# Altium PCB Time4CM4_PCIeCarrier_PCB.PcbDoc (part 2 of 5) (continued)
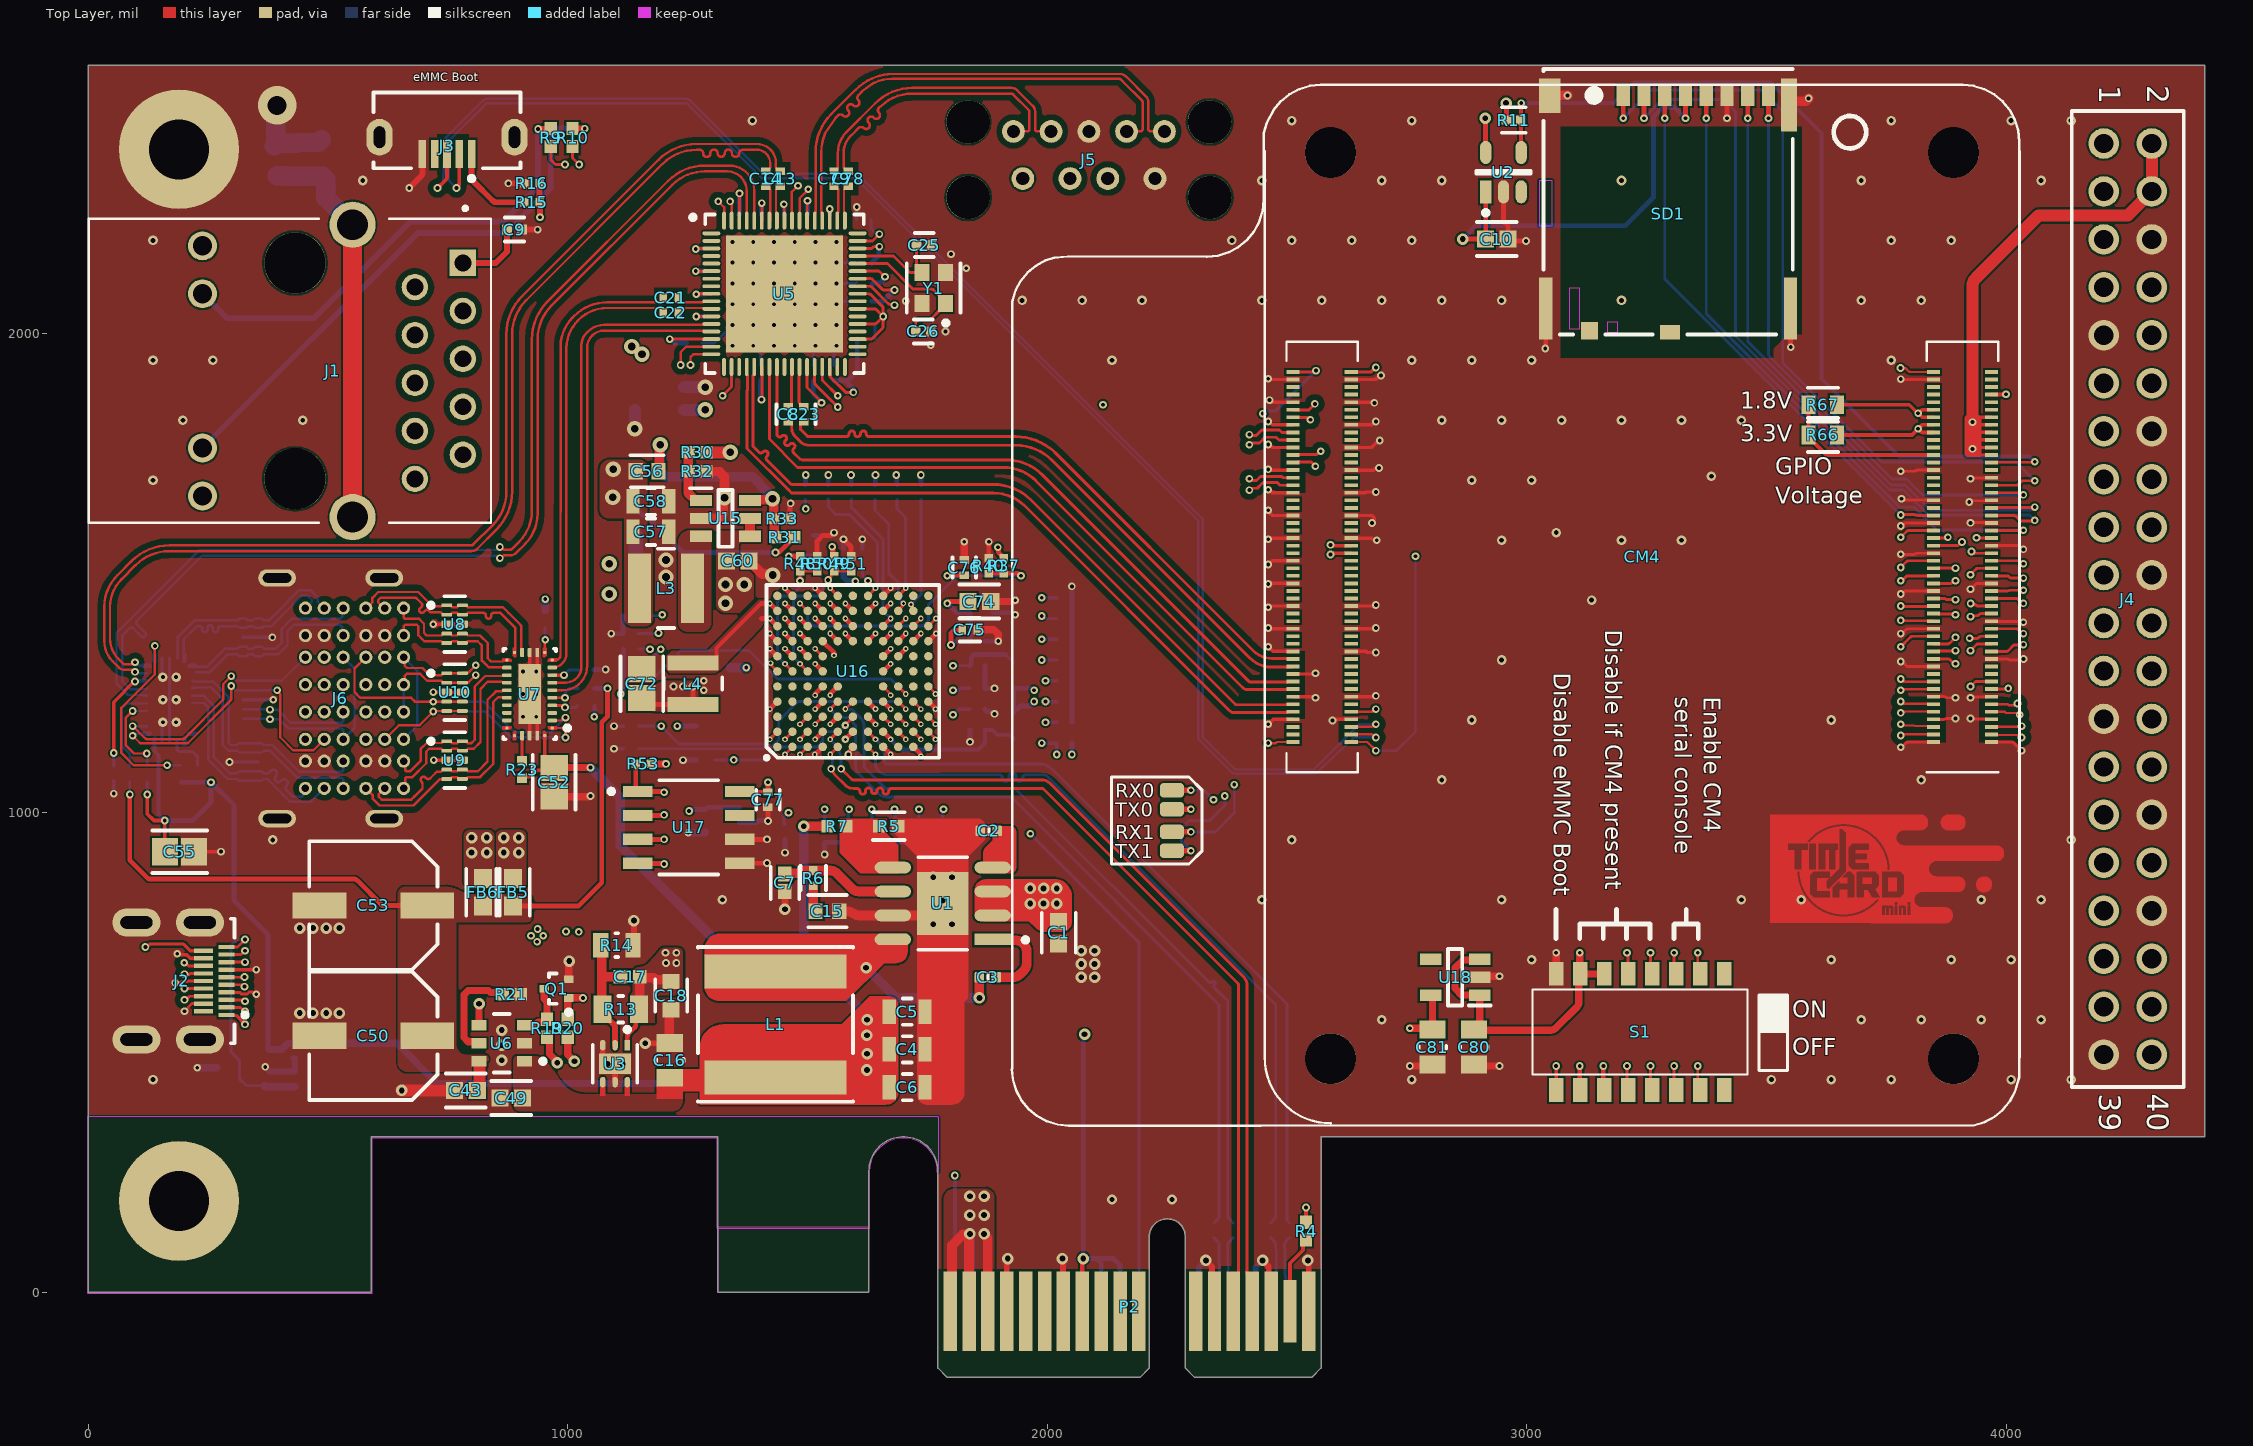
[diagram p0: Top Layer view]
## Nets (pads, with @x,y where several pads share a name; then routed paths per layer and width w, separated by ;. In a path a pad name is that pad's centre, name@x,y a point inside that pad or via, vN(x,y) a via of type N, cw(c..) or ccw(c..) an arc to the next point about the centre after c; other vN are vias at no path point)
1V2_INT: C72.1 FB9.1 FB10.1 L4.2 U16.C7 | length 586
  Top Layer w10: C72.1@1154.53,1239.6 1178.19,1226.38 L4.2@1260.83,1226.38 1260.83,1262.8 v1(1259.84,1263.78) ; v3(1484.25,1342.52) U16.C7@1500,1326.77
  Int4 (PWR) w10: v1(1259.84,1263.78) 1260.99,1264.93 1260.99,1277.16 1311.35,1327.52 1427.47,1327.52 1471.69,1327.52 1483.87,1339.7 1483.87,1342.14 v3(1484.25,1342.52)
  Bottom Layer w10: v1(1972.44,1232.28) 1972,1232.28 1962.79,1223.07 1943.54,1223.07 FB10.1@1929.13,1208.66 FB9.1@1929.13,1260.79 1929.81,1260.12 1966.61,1260.12 1970.82,1255.91 v1(1972.44,1255.91)
  other v1: 1220.47,1263.78 1240.16,1263.78
1V05: C27.2 C28.2 C29.2 C30.2 C31.2 C32.2 C33.2 C34.2 C59.1 FB7.2 U5.3 U5.9 U5.12 U5.29 U5.45 U5.54 U5.60 U5.63 | length 2669.1
  Top Layer w6: v1(1267.72,2035.43) U5.12@1299.21,2035.43 ; U5.63@1404.53,2235.24 v1(1404.53,2271.65) ; v1(1450.52,2269.27) 1451.41,2268.38 1451.41,2235.59 U5.60@1451.77,2235.24 ; U5.29@1499.02,1930.12 1499.02,1887 1500.75,1885.26 1529.15,1856.87 v1(1529.15,1855.34) ; U5.45@1604.33,2114.17 1631.37,2114.17 cw(c1631.37,2108.17) 1635.64,2112.39 1655.72,2092.31 ccw(c1659.97,2096.55) 1659.97,2090.55 v1(1681.1,2090.55)
  Top Layer w7: v1(1266.73,2176.18) 1267.72,2177.17 U5.3@1299.21,2177.17 ; v1(1267.72,2081.69) 1268.7,2082.68 U5.9@1299.21,2082.68
  Int4 (PWR) w10: v1(1404.53,2271.65) 1406.15,2271.65 1408.53,2269.27 1450.38,2269.27 1452,2269.27 1461.63,2259.65 v1(1546.31,2259.65) 1605.62,2200.34 1605.62,2149.86 1663.79,2091.7 1679.95,2091.7 v1(1681.1,2090.55)
  Int2 (Sign) w40: 1039.37,1488.19 795.28,1488.19 574.8,1708.66 574.8,2098.43 692.91,2216.54 826.77,2216.54 881.89,2161.42 1039.37,2161.42 1070.87,2192.91 1208.66,2192.91
  Bottom Layer w10: v1(1266.73,2176.18) 1267.22,2176.67 1284.94,2176.67 C33.2@1285.43,2177.17 ; v1(1267.72,2035.43) C31.2@1285.43,2035.43 ; v1(1267.72,2081.69) C32.2@1285.43,2081.69 ; C30.2@1403.54,2247.05 1404.04,2247.54 1404.04,2271.16 v1(1404.53,2271.65) v1@1404.53,2273.28 ; v1(1450.52,2269.27) 1451.15,2268.65 1451.15,2247.67 C34.2@1451.77,2247.05 ; C27.2@1511.81,1901.57 1511.81,1874.2 1529.15,1856.87 v1(1529.15,1855.34) ; C29.2@1546.29,2247.07 v1@1546.29,2259.62 ; C28.2@1633.86,2066.93 1657.48,2066.93 v1(1681.1,2090.55)
  Bottom Layer w30: C59.1@1141.73,1523.64 FB7.2@1141.73,1579.68
  other v6: 1086.61,1456.69 1086.61,1519.69
1V8_CM4: C81.1 CM4.88 CM4.90 R67.2 U18.5 | length 2180.4
  Top Layer w8: R67.2@3646.65,1851.38 3797.24,1851.38 v1@3814.96,1833.66 ; v1(3815.94,1833.66) 3824.44,1825.16 CM4.88@3847.7,1825.16 ; v1@3817.08,1833.66 3824.33,1840.91 CM4.90@3847.7,1840.91
  Top Layer w15: v1(2755.91,551.18) 2800.2,551.18 C81.1@2803.15,548.23 2803.15,616.14 U18.5@2799.21,620.08 ; R67.2@3646.65,1851.38 R67.2@3646.65,1856.3
  Int3 (Sign) w15: v1(2755.91,551.18) 2755.91,891.08 3059.16,1194.33 3059.49,1194.33 3059.49,1194.66 3091.24,1226.41 3091.24,1257.88 3667.02,1833.66 v1(3815.94,1833.66)
3V3: C17.2 C18.1 C19.1 C51.1 C54.1 C62.2 C63.2 C64.2 C65.1 C66.1 C67.2 C74.1 C75.2 C76.2 C77.2 FB4.1 FB8.1 J1.11 J1.14 J4.1 J4.17 R11.2 R13.2 R30.2 R37.2 R45.2 R46.2 R47.2 R48.2 R49.2 R53.2 S1.10 S1.11 U2.5 U3.1 U7.8 U11.8 U16.B9 U16.B10 U16.B11 U16.C9 U16.D5 U16.E8 U16.H7 U17.8 | length 5078.5
  Top Layer w7: v1(53.15,1125) 53.15,1231.3 96.14,1274.29 v1(97.44,1274.29) ; U7.8@967.52,1287.4 v1(992.13,1287.4)
  Top Layer w10: U3.1@1124.02,515.75 1124.02,533.26 cw(c1134.02,533.26) 1126.93,540.31 1138.82,552.2 ccw(c1131.73,559.26) 1141.73,559.26 1141.73,567.01 R13.2@1148.62,590.55 ; U17.8@1358.27,1044.88 1359.84,1043.31 C77.2@1417.32,1043.31 v1(1417.32,1063.98) ; v3(1452.76,1405.31) 1452.96,1405.31 U16.B9@1468.5,1389.76 ; v3(1452.76,1437.01) U16.B10@1468.5,1421.26 ; v3(1452.76,1468.5) U16.B11@1468.5,1452.76 ; v3(1484.25,1405.31) 1484.46,1405.31 U16.C9@1500,1389.76 ; v3(1515.75,1245.54) 1516.13,1245.93 1516.13,1248.41 U16.D5@1531.5,1263.78 ; v3(1547.24,1374.02) U16.E8@1562.99,1358.27 ; U16.H7@1657.48,1326.77 v3(1673.23,1342.52) ; v1(1791.34,1437.01) 1792.96,1437.01 1796.9,1440.94 C74.1@1834.62,1440.94 ; v1(1791.34,1494.69) 1792.96,1494.69 1794.34,1496.06 C76.2@1826.77,1496.06 ; v1(1799.21,1350.39) 1799.21,1375 1805.12,1380.91 1821.85,1380.91 C75.2@1822.83,1381.89 ; v1(1896.72,1554.2) cw(c1887.87,1549.55) 1897.87,1549.55 1897.87,1547.22 ccw(c1907.87,1547.22) 1900.78,1540.16 1905.59,1535.35 R37.2@1909.45,1531.5 ; U2.5@2913.8,2377.83 v4@2913.8,2448.41 ; R11.2@2957.54,2444.88 v4@2957.54,2475.53 ; v1(3110.24,472.44) 3110.24,423.23 S1.10@3111.22,422.24 ; v1(3159.45,472.44) 3159.45,424.02 S1.11@3161.22,422.24
  Top Layer w12: v1(1460.63,1535.43) R48.2@1484.25,1535.43 ; v1(1551.18,1555.12) 1551.18,1554.04 1552.26,1552.96 1552.26,1538.29 R49.2@1555.12,1535.43
  Top Layer w15: R53.2@1173.23,1102.36 v1(1204.72,1102.36) ; v4(2913.39,2448.82) v4@2913.8,2448.41 ; U2.5@2913.8,2377.83 U2.5@2914.21,2377.42
  Top Layer w20: R13.2@1148.62,590.55 1150,591.93 C17.2@1150,658.46 1151.8,656.66 1178.97,656.66 1183.33,652.3 1211.88,652.3 C18.1@1215.55,648.62
  Top Layer w25: R30.2@1288.39,1751.97 v6(1338.58,1751.97)
  Int4 (PWR) w10: v1(1791.34,1437.01) v1(1791.34,1494.69)
  Int4 (PWR) w15: v3(1452.76,1437.01) v3(1452.76,1405.31) v3(1484.25,1405.31) 1501.76,1387.8 1533.46,1387.8 v3(1547.24,1374.02) 1549.21,1374.02 1579.42,1343.81 1591.84,1343.81 1610.24,1362.2 ; v3(1515.75,1245.54) 1515.75,1248.03 1547.24,1279.53 1594.49,1279.53 1610.24,1295.28 1610.24,1362.2 ; v1(1599.68,1483.08) 1599.68,1456.94 1610.24,1446.38 1610.24,1362.2 ; v1(1803.15,1204.72) v1(1803.15,1255.91) 1759.46,1299.6 1716.15,1299.6 v3(1673.23,1342.52) 1629.92,1342.52 1610.24,1362.2
  Int4 (PWR) w25: v6(1338.58,1751.97) 1338.58,1692.91 1460.63,1570.87 v1(1460.63,1535.43) 1531.5,1535.43 v1(1551.18,1555.12)
  Int2 (Sign) w25: v1(1226.38,687.01) 1291.34,622.05 1728.35,622.05 1956.69,393.7 3106.3,393.7 3133.86,421.26 3133.86,444.88
  Bottom Layer w7: C54.1@53.15,1098.43 v1(53.15,1125) ; v1(97.44,1274.29) 98.74,1275.59 U11.8@122.05,1275.59 ; v1(992.13,1287.4) 1002.95,1298.23 C51.1@1022.64,1298.23 ; R46.2@1114.26,1279.44 R46.2@1115.16,1278.54 ; v1(1803.15,1204.72) 1814.96,1216.54 C62.2@1838.58,1216.54 ; v1(1803.15,1255.91) 1803.33,1256.08 1815.14,1256.08 1818.9,1259.84 C63.2@1838.58,1259.84
  Bottom Layer w10: v1(1110.24,1248.03) 1110.24,1249.66 1115.16,1254.58 R46.2@1115.16,1278.54 ; R46.2@1114.26,1279.44 1116.14,1281.32 R47.2@1116.14,1341.54 ; v1(1228.35,1181.1) FB8.1@1268.67,1181.1 ; v1(1791.34,1437.01) 1811.02,1417.32 C66.1@1838.56,1417.32 ; v1(1799.21,1350.39) 1800.2,1350.39 1808.07,1358.27 C67.2@1838.58,1358.27 C66.1@1838.56,1417.32
  Bottom Layer w12: v1@1461.71,1535.43 1507.85,1535.43 C65.1@1511.81,1531.47 1521.73,1521.56 1568.99,1521.56 C64.2@1570.87,1519.69 ; C64.2@1574.8,1519.69 1574.8,1492.13 1583.09,1483.84 1598.91,1483.84 v1(1599.68,1483.08)
  other v1: 1204.72,687.01 1203.74,708.66 1226.38,708.66
  other v4: 2956.69,2480.32
  other v6: 1154.53,1956.69 1133.34,1972.91
3V3_CM4: C80.1 CM4.84 CM4.86 R66.2 S1.6 S1.7 U18.1 U18.3 | length 2362.2
  Top Layer w8: R66.2@3646.65,1788.39 3803.15,1788.39 v1(3815.94,1801.18) v1@3816.09,1801.18 ; CM4.84@3847.7,1793.67 3824.33,1793.67 3816.81,1801.18 v1@3816.09,1801.18 ; CM4.86@3847.7,1809.41 3824.33,1809.41 v1@3816.09,1801.18
  Top Layer w15: C80.1@2888,547 3049.79,547 ccw(c3049.79,562) 3060.38,551.38 3103.98,594.98 ccw(c3093.33,605.55) 3108.33,605.55 3108.33,661.48 S1.7@3111.22,664.37 ; C80.1@2889.76,548.23 2890.37,548.23 2901.57,559.43 U18.1@2901.57,620.08 2864.17,620.08 2850.39,633.86 2850.39,677.17 2866.71,693.48 2900.17,693.48 U18.3@2901.57,694.88 ; v1(3110.24,708.66) 3110.24,665.35 S1.7@3111.22,664.37 ; S1.6@3161.22,664.37 S1.7@3111.22,664.37 ; R66.2@3646.65,1788.39 R66.2@3646.65,1793.31
  Int3 (Sign) w15: v1(3110.24,708.66) 3110.24,1250.01 3661.41,1801.18 v1(3815.94,1801.18)
3V3_PCIE: P2.A9 P2.A10 P2.B8 R3.2 | length 1539
  Top Layer w10: P2.B8@2072.89,-39 2072.89,68.95 v4(2074.8,70.87)
  Int2 (Sign) w10: v1(2051.18,1122.05) 2051.18,755.91 1992.13,696.85 1992.13,623.73 v4(2077.49,538.36)
  Bottom Layer w10: v1(2051.18,1122.05) R3.2@2051.18,1145.67 ; 2074.8,525.77 v4(2074.8,70.87) 2102.36,70.87 ; 2074.82,525.78 2074.82,535.68 v4(2077.49,538.36) ; P2.A9@2112.26,-39 2112.26,60.97 2102.36,70.87 ; P2.A10@2151.63,-39 2151.63,57.03 2137.8,70.87 2102.36,70.87
5V: C4.1 C5.1 C6.1 C16.1 C48.2 C49.1 C52.1 C55.1 C60.1 CM4.77 CM4.79 CM4.81 CM4.83 CM4.85 CM4.87 J4.2 J4.4 L1.2 R7.2 R22.2 R23.2 R24.2 R26.2 R27.2 R28.2 U3.4 U3.6 U4.1 U6.1 U7.30 U11.30 U15.4 U15.5 | length 8755.8
  Top Layer w7: 3923.84,1746.42 CM4.77@3968.96,1746.42 ; 3929.33,1793.67 CM4.83@3968.96,1793.67 ; 3930.08,1777.92 CM4.81@3968.96,1777.92 ; v1@3931,1810 3931.59,1809.41 CM4.85@3968.96,1809.41 ; 3934,1825 3934.16,1825.16 CM4.87@3968.96,1825.16 ; 3943.17,1762.17 CM4.79@3968.96,1762.17
  Top Layer w8: v1(123.03,1038.39) 123.03,998.03 136.81,984.25 v1(159.45,984.25) 159.45,920.28 C55.1@160.43,919.29 ; R23.2@904.53,1072.83 907.9,1076.21 922.67,1076.21 935.48,1089.02 966.42,1089.02 C52.1@971.46,1094.06 ; U7.30@951.77,1161.42 951.77,1117.19 C52.1@973.18,1095.78
  Top Layer w15: C52.1@971.89,1094.49 v1(1047.24,1094.49)
  Top Layer w20: U15.4@1379.92,1576.77 U15.5@1379.92,1614.17 ; v4(1492.13,972.44) 1538.54,972.44 R7.2@1541.34,972.44
  Top Layer w25: v1(3929.13,1814.96) 3929.13,2097.91 cw(c3954.13,2097.91) 3936.46,2115.59 4066.93,2246.06 4253.15,2246.06 J4.4@4303.15,2296.06 J4.2@4303.15,2396.06
  Int4 (PWR) w40: v4(1623.7,463.98) 2395.08,463.98 3691.93,1760.83 3927.59,1760.83 v1(3929.13,1759.28) v1(3929.13,1814.96)
  Int2 (Sign) w15: v1(952.76,1445.87) 1059.06,1339.57 1059.06,1336.61
  Int2 (Sign) w40: v1(1047.24,1094.49) 1055.12,1102.36 v1(1055.12,1200.79) 1034.45,1221.46 1034.45,1312.01 1059.06,1336.61 1105.31,1336.61 1128.94,1360.24 1128.94,1399.61 1177.17,1447.83 1250,1447.83 1260.83,1437.01 v6(1328.74,1437.01) v6(1328.74,1476.38) v6(1368.11,1476.38)
  Bottom Layer w8: v1(123.03,1038.39) R28.2@123.03,1063.98 ; U11.30@137.8,1149.61 137.8,1128.94 146.65,1120.08 146.65,997.05 v1(159.45,984.25) ; v1(1055.12,1200.79) 1055.29,1200.96 1055.29,1223.6 R24.2@1056.1,1224.41
  Bottom Layer w10: v1(159.45,984.25) 217.52,984.25 255.91,1022.64 v1(255.91,1063.98) ; R26.2@193.9,1063.98 R27.2@227.36,1063.98 v1(255.91,1063.98) ; U4.1@376.97,506.85 375,508.82 375,746.06 304.13,816.93 304.13,1015.75 v1(255.91,1063.98)
  Bottom Layer w15: U4.1@376.97,506.85 403.51,506.85 415.96,519.31 C48.2@431.1,519.31 ; C48.2@431.1,519.69 643.7,519.69 727.36,436.02 1514.76,436.02 1542.72,463.98 v4(1623.7,463.98) ; R22.2@952.76,1422.24 v1(952.76,1445.87)
  Bottom Layer w20: v1(1047.24,1094.49) 1109.25,1032.48 1109.25,932.09 1332.68,708.66 1492.13,708.66 ; v4(1492.13,972.44) 1492.13,708.66 ; v4(1624.05,568.52) 1623.28,569.28 1623.28,577.51 1492.13,708.66
  other v4: 1624.05,497.98 1623.82,536.24
5V_HDMI: C24.2 J2.19 U4.2 | length 487.7
  Top Layer w6: J2.19@288.39,720.47 311.02,720.47 v1(326.77,736.22)
  Bottom Layer w6: v1(326.77,736.22) 310.04,736.22 297.24,723.43 297.24,501.97 314.96,484.25 314.96,445.87 329.8,431.02 U4.2@366.14,431.02
  Bottom Layer w15: U4.2@366.14,431.02 368.03,429.13 C24.2@431.1,429.13
12V_PCIE: C1.1 P2.A2 P2.A3 P2.B1 P2.B2 P2.B3 U1.2 U1.3 | length 825.9
  Top Layer w20: P2.B1@1797.3,-39 1801.18,-35.12 1801.18,98.43 1824.04,121.28 ; P2.B2@1836.67,-39 1836.67,119.05 1838.58,120.96 v4(1838.58,122.05) ; v4(1868.11,122.05) 1868.11,120.96 1876.04,113.03 P2.B3@1876.04,-39
  Bottom Layer w20: P2.A2@1836.67,-39 1838.58,-37.09 v4(1838.58,122.05) v4@1838.58,123.13 ; v4@1838.58,160.33 v4(1838.58,161.42) ; v4(1868.11,122.05) 1876.04,114.12 P2.A3@1876.04,-39
  other v4: 1868.11,161.42 1838.58,200.79 1868.11,200.79 1964.57,811.02 1992.13,811.02 2019.68,811.02 1964.57,842.52 1992.13,842.52 2019.68,842.52
ANAIP_0: CM4.96
ANAIP_1: CM4.94
BT_DIS: CM4.91
CC1: J6.A5-B U11.2 U14.5 U14.6 | length 498
  Top Layer w5: v1(92.52,1181.1) cw(c90.55,1176.51) 94.09,1180.04 102.71,1171.42 cw(c92.52,1161.1) 102.83,1171.3 118.65,1155.48 ccw(c122.2,1159) 122.2,1154 196.93,1154 ccw(c196.93,1159) 200.45,1155.45 280.06,1235.06 ccw(c276.5,1238.57) 281.5,1238.57 281.5,1268.7 v1(298.23,1285.43)
  Bottom Layer w5: v1(92.52,1181.1) U11.2@122.05,1181.1 ; v1(298.23,1285.43) 308.07,1275.59 U14.5@322.83,1275.59 U14.6@355.71,1275.59 403.54,1275.59 J6.A5-B@452.76,1324.8
CC2: J6.B5-B U11.1 U14.4 U14.7 | length 621.7
  Top Layer w5: v1(92.52,1161.1) 107.16,1146.46 ; 107.18,1146.45 ccw(c110.69,1150) 110.69,1145 204.93,1145 ccw(c204.93,1150) 208.45,1146.45 296.79,1234.79 ccw(c293.23,1238.3) 298.23,1238.3 v1(298.23,1264.76) ; v1(393.7,1255.91) 393.7,1254.1 400.33,1247.48 400.33,1157.74 427.17,1130.91 469.49,1130.91 J6.B5-B@492.13,1153.54
  Bottom Layer w5: v1(92.52,1161.1) 95.5,1161.1 99.75,1165.35 U11.1@122.05,1165.35 ; v1(298.23,1264.76) 307.09,1255.91 U14.4@322.83,1255.91 U14.7@355.71,1255.91 v1(393.7,1255.91)
CM0_C_N: CM4.140
CM0_C_P: CM4.142
CM0_D0_N: CM4.128
CM0_D0_P: CM4.130
CM0_D1_N: CM4.134
CM0_D1_P: CM4.136
CM1_C_N: CM4.127
CM1_C_P: CM4.129
CM1_D0_N: CM4.115
CM1_D0_P: CM4.117
CM1_D1_N: CM4.121
CM1_D1_P: CM4.123
CM1_D2_N: CM4.133
CM1_D2_P: CM4.135
CM1_D3_N: CM4.139
CM1_D3_P: CM4.141
CM4_PCIE_CLK_N: CM4.112 U5.22 | length 1526.7
  Top Layer w6: U5.22@1388.78,1930.12 1388.78,1914.85 1386.34,1912.41 1386.34,1876.44 1385.78,1875.87 1385.78,1783.52 1385.78,1765.05 1398.31,1752.53 ccw(c1402.55,1756.77) 1406.79,1752.53 1407.5,1753.24 cw(c1411.74,1748.99) 1415.99,1753.24 cw(c1411.74,1748.99) 1415.99,1744.75 1415.28,1744.04 ccw(c1419.52,1739.8) 1415.28,1735.56 1425.88,1724.95 1463.91,1686.92 ccw(c1468.14,1691.18) 1468.14,1685.18 1819,1685.18 1887.1,1685.18 cw(c1887.1,1573.71) 1965.92,1652.54 2391.11,1227.35 ccw(c2395.33,1231.61) 2395.33,1225.61 2496.66,1225.61 ccw(c2496.66,1231.61) 2498.16,1225.8 2501.48,1225.8 CM4.112@2512.26,1226.74
CM4_PCIE_CLK_P: CM4.110 U5.21 | length 1533.2
  Top Layer w6: U5.21@1373.03,1930.12 1373.03,1914.85 1374.34,1913.54 1374.34,1881.41 1373.78,1880.84 1373.78,1760.08 1459.65,1674.21 1466.63,1667.23 ccw(c1468.14,1691.18) 1468.14,1667.18 1887.1,1667.18 cw(c1887.1,1573.71) 1953.08,1639.92 cw(c1887.1,1573.71) 1953.15,1639.85 2378.63,1214.37 ccw(c2395.33,1231.61) 2385.13,1209.89 2501.32,1209.89 2502.42,1210.99 CM4.110@2512.26,1210.99
CM4_PCIE_nCREQ: CM4.102 U5.30 | length 1438.4
  Top Layer w5: v1(2460.63,1145.67) 2476.38,1145.67 2478.71,1148 CM4.102@2512.26,1148
  Top Layer w6: U5.30@1514.76,1930.12 1514.76,1897.17 ccw(c1520.76,1897.17) 1516.5,1892.95 v1(1562.99,1846.46)
  Int4 (PWR) w6: v1(1562.99,1846.46) 1594.49,1814.96 1905.51,1814.96 2314.96,1405.51 2314.96,1244.09 2413.39,1145.67 v1(2460.63,1145.67)
CM4_PCIE_nRST: CM4.109 U5.19 | length 1917.9
  Top Layer w6: v1(1322.83,1870.08) 1339.8,1887.04 ccw(c1335.54,1891.26) 1341.54,1891.26 U5.19@1341.54,1930.12 ; CM4.109@2633.52,1210.99 2676.79,1210.99 2682.33,1216.54 v1(2685.04,1216.54)
  Int4 (PWR) w6: v1(1322.83,1870.08) 1397.64,1795.28 1877.95,1795.28 2287.4,1385.83 2287.4,1240.16 2405.51,1122.05 2590.55,1122.05 v1(2685.04,1216.54)
CM4_PCIE_PEXRX_N: C23.1 U5.28 | length 87.2
  Top Layer w6: U5.28@1483.27,1930.12 1483.27,1915.35 1483.27,1914.85 ccw(c1488.8,1912.52) 1482.91,1913.67 ccw(c1488.46,1911.39) 1482.46,1911.39 1482.46,1857.63 ccw(c1488.46,1857.62) 1484.2,1853.4 1485.28,1852.32 C23.1@1492.13,1847.44
CM4_PCIE_PEXRX_P: C8.1 U5.27 | length 87
  Top Layer w6: C8.1@1459.65,1847.44 1466.49,1852.32 1466.49,1855.61 ccw(c1460.71,1857.23) 1466.71,1857.29 1466.71,1929.31 1467.52,1929.31 U5.27@1467.52,1930.12
CM4_PCIE_RX_N: CM4.118 U5.25 | length 1458.8
  Top Layer w6: U5.25@1436.02,1930.12 1436.02,1800.9 1436.02,1788.54 1436.31,1787.85 ccw(c1441.86,1790.13) 1446.1,1785.89 cw(c1450.34,1781.65) 1454.58,1785.89 cw(c1450.34,1781.65) 1454.58,1777.4 1453.57,1776.39 ccw(c1457.81,1772.14) 1453.57,1767.9 ccw(c1457.81,1772.14) 1462.05,1767.9 1463.2,1769.05 cw(c1467.44,1764.81) 1471.69,1769.05 cw(c1467.44,1764.81) 1471.69,1760.57 1470.84,1759.72 ccw(c1475.08,1755.48) 1470.84,1751.23 1483.97,1738.1 1488.2,1736.36 1506.88,1736.36 1836,1736.36 1914.05,1736.36 cw(c1914.05,1629.9) 1989.33,1705.19 2419.92,1274.59 ccw(c2424.15,1278.86) 2424.15,1272.86 2496.66,1272.86 ccw(c2496.66,1278.86) 2498.16,1273.04 2501.48,1273.04 CM4.118@2512.26,1273.98
CM4_PCIE_RX_P: CM4.116 U5.24 | length 1454.7
  Top Layer w6: U5.24@1420.28,1930.12 1420.28,1779.53 1479.19,1720.61 1908.62,1720.61 cw(c1908.62,1624.46) 1976.53,1692.53 cw(c1908.62,1624.46) 1976.61,1692.45 2407.19,1261.87 ccw(c2424.15,1278.86) 2414,1257.11 2504.49,1257.11 2504.49,1257.3 CM4.116@2512.26,1258.23
CM4_PCIE_TX_N: C23.2 CM4.124 | length 1264.8
  Top Layer w6: C23.2@1492.13,1815.95 1485.28,1811.07 1484.9,1806.28 ccw(c1490.89,1805.81) 1484.89,1805.81 1484.89,1802.53 ccw(c1490.89,1802.53) 1486.62,1798.3 1498.46,1786.47 ccw(c1502.68,1790.73) 1502.68,1784.73 1508.81,1784.73 1580.25,1784.73 ccw(c1580.25,1790.73) 1586.25,1790.73 cw(c1592.25,1790.73) 1598.25,1790.73 1598.25,1790.41 ccw(c1604.25,1790.41) 1610.25,1790.41 1610.25,1790.73 cw(c1616.25,1790.73) 1622.25,1790.73 ccw(c1628.25,1790.73) 1628.25,1784.73 1643.25,1784.73 1933.97,1784.73 cw(c1933.97,1666.73) 2005.12,1760.87 cw(c1933.97,1666.73) 2017.4,1750.18 2413.2,1354.39 2413.29,1354.29 2428.84,1338.74 ccw(c2469.07,1379.26) 2469.07,1322.16 2501.48,1322.16 CM4.124@2512.26,1321.23
CM4_PCIE_TX_P: C8.2 CM4.122 | length 1265.8
  Top Layer w6: C8.2@1459.65,1815.95 1466.49,1811.07 1466.87,1806.28 ; 1466.87,1806.27 cw(c1460.89,1805.8) 1466.89,1805.8 1466.89,1802.53 ccw(c1490.89,1802.53) 1467.77,1796.07 ccw(c1490.89,1802.53) 1473.87,1785.6 1485.77,1773.7 ccw(c1502.68,1790.73) 1502.68,1766.73 1933.97,1766.73 cw(c1933.97,1659.04) 2010.12,1735.19 2341.19,1404.12 2422.17,1323.14 ; 2422.2,1323.11 ccw(c2467.93,1368.83) 2467.94,1304.16 2468,1304.16 2510.95,1304.16 2510.95,1304.54 CM4.122@2512.26,1305.48
CM4_UART_RX: CM4.55 J4.10 S1.5 | length 2148.3
  Top Layer w6: v1(3208.66,708.66) 3208.66,705.96 3211.22,703.4 S1.5@3211.22,664.37 ; v1(3937.77,1574.04) 3938.19,1573.62 3968.53,1573.62 CM4.55@3968.96,1573.19
  Int4 (PWR) w6: v1(3937.77,1574.04) 3958.57,1574.04 4018.69,1634.17 ccw(c4014.43,1638.39) 4020.43,1638.39 4020.43,1730.55 cw(c4026.43,1730.55) 4022.17,1734.77 4120.31,1832.91 cw(c4124.53,1828.65) 4124.53,1834.65 4197.94,1834.65 ccw(c4197.91,1840.65) 4198.66,1834.69 cw(c4203.15,1796.06) 4207.61,1834.7 ; 4207.64,1834.69 ccw(c4208.39,1840.65) 4208.36,1834.65 4234.46,1834.65 ccw(c4234.46,1840.65) 4238.68,1836.38 4262.52,1860.22 ccw(c4258.26,1864.44) 4264.26,1864.44 4264.26,1954.69 cw(c4270.26,1954.69) 4266,1958.91 J4.10@4303.15,1996.06
  Int3 (Sign) w6: v1(3208.66,708.66) 3208.66,1122.05 3769.69,1683.07 3818.9,1683.07 3907.48,1594.49 3927.17,1574.8 3937.01,1574.8 v1(3937.77,1574.04)
CM4_UART_TX: CM4.51 J4.8 S1.4 | length 2112.2
  Top Layer w6: v1(3257.87,708.66) 3257.87,667.72 S1.4@3261.22,664.37 ; v1(3927.17,1545.28) 3929.87,1545.28 3933.45,1541.7 CM4.51@3968.96,1541.7
  Int4 (PWR) w6: v1(3927.17,1545.28) 3927.17,1547.98 3922.77,1552.38 3922.77,1580.25 4007.2,1664.69 4007.2,1743.43 4108.5,1844.72 cw(c4112.72,1840.46) 4112.72,1846.46 4232.13,1846.46 ccw(c4232.13,1852.46) 4236.35,1848.19 4252.36,1864.2 ccw(c4248.09,1868.42) 4254.09,1868.42 4254.09,2044.52 cw(c4260.09,2044.52) 4255.83,2048.75 J4.8@4303.15,2096.06
  Int3 (Sign) w6: v1(3257.87,708.66) 3257.87,1072.83 3739.41,1554.37 3896.86,1554.37 3904.38,1546.85 3925.59,1546.85 v1(3927.17,1545.28) v1@3927.17,1549.83
CM4_USB_N: CM4.103 J3.2 | length 3071.3
  Top Layer w5: CM4.103@2633.52,1163.74 2676.61,1163.74 2682.87,1157.48 v1(2685.04,1157.48)
  Top Layer w8: v1(767.72,2303.15) cw(c775.62,2301.9) 769.93,2307.53 771.29,2308.88 ccw(c765.62,2314.53) 773.62,2314.53 J3.2@773.62,2374.21
  Bottom Layer w5: v1(767.72,2303.15) 753.42,2317.45 cw(c756.97,2320.97) 751.97,2320.97 751.97,2399.5 cw(c756.97,2399.5) 753.42,2403.02 829.07,2478.68 cw(c832.59,2475.13) 832.59,2480.13 1246.15,2480.13 cw(c1246.15,2475.13) 1249.67,2478.68 1404.67,2323.68 1600.6,2323.68 2314.76,1609.52 2314.76,1154.55 2383.62,1085.69 ccw(c2393.49,1095.61) 2393.49,1081.61 2553.61,1081.61 ccw(c2553.61,1095.61) 2563.21,1085.43 2572.26,1093.96 2636.68,1154.73 2638.16,1156.12 cw(c2641.59,1152.48) 2641.59,1157.48 v1(2685.04,1157.48)
CM4_USB_OTG: CM4.101 R15.1 R16.2 | length 2713.9
  Top Layer w5: CM4.101@2633.52,1148 2666.96,1148 v1(2685.04,1129.92)
  Top Layer w12: R16.2@940.94,2312.99 940.94,2276.48 R15.1@940.94,2273.62 941.93,2272.64 v1(941.93,2242.13)
  Int2 (Sign) w6: v1(941.93,2242.13) 959.65,2224.41 1712.6,2224.41 2056.13,1880.88 2162.37,1880.88 2426.95,1616.3 2618.18,1616.3 2699.05,1535.43 v1(2767.72,1535.43)
  Bottom Layer w5: v1(2685.04,1129.92) 2728.35,1129.92 2767.72,1169.29 v1(2767.72,1535.43)
CM4_USB_P: CM4.105 J3.3 | length 3098.8
  Top Layer w5: CM4.105@2633.52,1179.49 2676.61,1179.49 2682.16,1185.04 v1(2685.04,1185.04)
  Top Layer w8: v1(728.35,2303.15) 745.7,2320.5 ccw(c740.03,2326.15) 748.03,2326.15 J3.3@748.03,2374.21
  Bottom Layer w5: v1(728.35,2303.15) 738.71,2313.51 ccw(c735.16,2317.03) 740.15,2316.86 740.2,2318.07 ; 740.2,2318.08 742.98,2399.98 cw(c756.97,2399.5) 747.05,2409.39 822.69,2485.03 cw(c832.59,2475.13) 832.59,2489.13 1246.15,2489.13 cw(c1246.15,2475.13) 1256.05,2485.03 1408.4,2332.68 1604.33,2332.68 2323.76,1613.25 2323.76,1158.27 2389.97,1092.06 ccw(c2393.49,1095.61) 2393.49,1090.61 2553.61,1090.61 ccw(c2553.61,1095.61) 2557.13,1092.06 2648.65,1183.59 cw(c2652.17,1180.04) 2652.17,1185.04 v1(2685.04,1185.04)
CM_GPIOx: CM4.97
CONN_RX1_N: J6.B10-B U11.17 U12.5 U12.6 | length 388.9
  Bottom Layer w5: U11.17@225.39,1293.12 252.76,1293.12 290.26,1330.61 311.12,1330.61 314.96,1326.77 U12.6@322.15,1326.77 329.33,1326.77 333.17,1330.61 343.99,1330.61 347.83,1326.77 U12.5@355.02,1326.77 362.2,1326.77 366.05,1330.61 395.57,1330.61 415.35,1350.39 415.35,1378.94 429.04,1392.62 524.61,1392.62 529.28,1387.95 529.28,1372.3 J6.B10-B@531.5,1370.08
CONN_RX1_P: J6.B11-B U11.16 U12.4 U12.7 | length 388.9
  Bottom Layer w5: 225.39,1305.12 247.79,1305.12 285.29,1342.61 311.12,1342.61 314.96,1346.46 U12.7@322.15,1346.46 329.33,1346.46 333.17,1342.61 343.99,1342.61 347.83,1346.46 U12.4@355.02,1346.46 362.2,1346.46 366.05,1342.61 390.6,1342.61 403.35,1355.36 403.35,1383.91 424.07,1404.62 524.61,1404.62 529.28,1409.29 529.28,1424.95 J6.B11-B@531.5,1427.17
CONN_RX2_N: J6.A10-B U11.21 U13.5 U13.6 | length 440.3
  Bottom Layer w5: U11.21@216.54,1228.35 217.52,1229.33 241.14,1229.33 249.81,1220.66 249.81,1111.27 290.31,1070.77 300.79,1070.77 310.43,1070.77 314.27,1066.93 U13.6@321.46,1066.93 U13.5@354.33,1066.93 361.52,1066.93 365.36,1070.77 373.59,1070.77 376.52,1067.84 376.52,1067.14 406.87,1036.79 420.04,1023.62 464.04,1023.62 491.6,1051.18 J6.A10-B@492.13,1051.18
CONN_RX2_P: J6.A11-B U11.20 U13.4 U13.7 | length 439.9
  Bottom Layer w5: U11.20@216.54,1244.09 241.02,1244.09 261.81,1223.31 261.81,1116.24 295.28,1082.77 305.76,1082.77 310.43,1082.77 314.27,1086.61 U13.7@321.46,1086.61 U13.4@354.33,1086.61 361.52,1086.61 363.51,1084.62 365.28,1082.85 365.36,1082.77 372.7,1082.77 ccw(c372.7,1090.27) 378,1084.97 380.72,1087.69 cw(c386.02,1082.38) 391.33,1087.69 cw(c386.02,1082.38) 391.33,1077.08 ccw(c396.63,1071.78) 391.33,1066.47 ccw(c396.63,1071.78) 401.93,1066.47 403.35,1067.89 cw(c408.65,1062.59) 413.96,1067.89 cw(c408.65,1062.59) 413.96,1057.28 ccw(c419.26,1051.98) 413.95,1046.67 420.23,1040.4 421.99,1038.63 427.01,1033.62 444.36,1033.62 448.44,1037.7 448.44,1046.86 J6.A11-B@452.76,1051.18
CONN_TX1_N: J6.A3-B U11.14 U12.1 U12.10 | length 418.5
  Bottom Layer w5: U11.14@185.04,1322.83 186.48,1324.27 186.48,1332.67 186.91,1333.11 186.91,1367.27 221.31,1401.67 311.12,1401.67 314.96,1405.51 U12.10@322.15,1405.51 329.33,1405.51 333.17,1401.67 343.99,1401.67 347.83,1405.51 U12.1@355.02,1405.51 362.2,1405.51 366.05,1401.67 376.82,1401.67 415.3,1440.15 415.3,1440.91 439.15,1464.76 463.12,1464.76 478.44,1449.44 478.44,1440.33 491.6,1427.17 J6.A3-B@492.13,1427.17
CONN_TX1_P: J6.A2-B U11.15 U12.2 U12.9 | length 414.2
  Bottom Layer w5: U11.15@200.79,1322.83 200.79,1323.3 198.91,1325.18 198.91,1362.3 221.46,1384.84 226.28,1389.67 232.21,1389.67 cw(c232.21,1384.17) 237.71,1384.17 237.71,1382.6 ccw(c243.21,1382.6) 248.71,1382.6 248.71,1386.17 cw(c254.21,1386.17) 259.71,1386.17 259.71,1382.6 ccw(c265.21,1382.6) 270.71,1382.6 270.71,1384.17 cw(c276.21,1384.17) 276.21,1389.67 303.15,1389.67 311.12,1389.67 314.96,1385.83 U12.9@322.15,1385.83 329.33,1385.83 333.17,1389.67 343.99,1389.67 347.83,1385.83 U12.2@355.02,1385.83 362.2,1385.83 366.05,1389.67 381.8,1389.67 427.3,1435.18 427.3,1435.93 444.12,1452.76 458.15,1452.76 466.44,1444.47 466.44,1440.33 453.28,1427.17 J6.A2-B@452.76,1427.17
CONN_TX2_N: J6.B3-B U11.18 U13.1 U13.10 | length 473.7
  Bottom Layer w5: U11.18@216.54,1275.59 217.97,1274.15 226.37,1274.15 226.81,1273.72 260.97,1273.72 292.51,1242.18 292.51,1146.46 297.15,1141.83 310.43,1141.83 314.27,1145.67 U13.10@321.46,1145.67 U13.1@354.33,1145.67 361.52,1145.67 365.36,1141.83 383.94,1141.83 426.25,1099.52 440.04,1085.72 528.57,1085.72 531.5,1088.65 J6.B3-B@531.5,1108.27
CONN_TX2_P: J6.B2-B U11.19 U13.2 U13.9 | length 473.7
  Bottom Layer w5: U11.19@216.54,1259.84 217.97,1261.28 226.37,1261.28 226.81,1261.72 256,1261.72 276.57,1241.14 280.51,1237.2 280.51,1141.49 292.18,1129.83 310.43,1129.83 314.27,1125.98 U13.9@321.46,1125.98 U13.2@354.33,1125.98 361.52,1125.98 365.36,1129.83 378.97,1129.83 435.07,1073.72 473.57,1073.72 482.37,1073.72 528.57,1073.72 531.5,1070.8 J6.B2-B@531.5,1051.18
DSI0_C_N: CM4.169
DSI0_C_P: CM4.171
DSI0_D0_N: CM4.157
DSI0_D0_P: CM4.159
DSI0_D1_N: CM4.163
DSI0_D1_P: CM4.165
DSI1_C_N: CM4.187
DSI1_C_P: CM4.189
DSI1_D0_N: CM4.175
DSI1_D0_P: CM4.177
DSI1_D1_N: CM4.181
DSI1_D1_P: CM4.183
DSI1_D2_N: CM4.193
DSI1_D2_P: CM4.195
DSI1_D3_N: CM4.194
DSI1_D3_P: CM4.196
EECK: U16.J7 U17.2 | length 892.9
  Top Layer w10: U17.2@1145.67,994.88 1197.98,994.88 1199.16,996.06 v1(1200.79,996.06) ; U16.J7@1688.98,1326.77 v3(1704.72,1342.52)
  Int2 (Sign) w6: v1(1200.79,996.06) 1180.12,1016.73 1180.12,1051.18 1192.91,1063.98 1358.27,1063.98 1386.81,1092.52 1386.81,1236.22 1429.13,1278.54 1678.15,1278.54 1704.72,1305.12 v3(1704.72,1342.52)